# KiCad board panel_joined.kicad_pcb (continued)
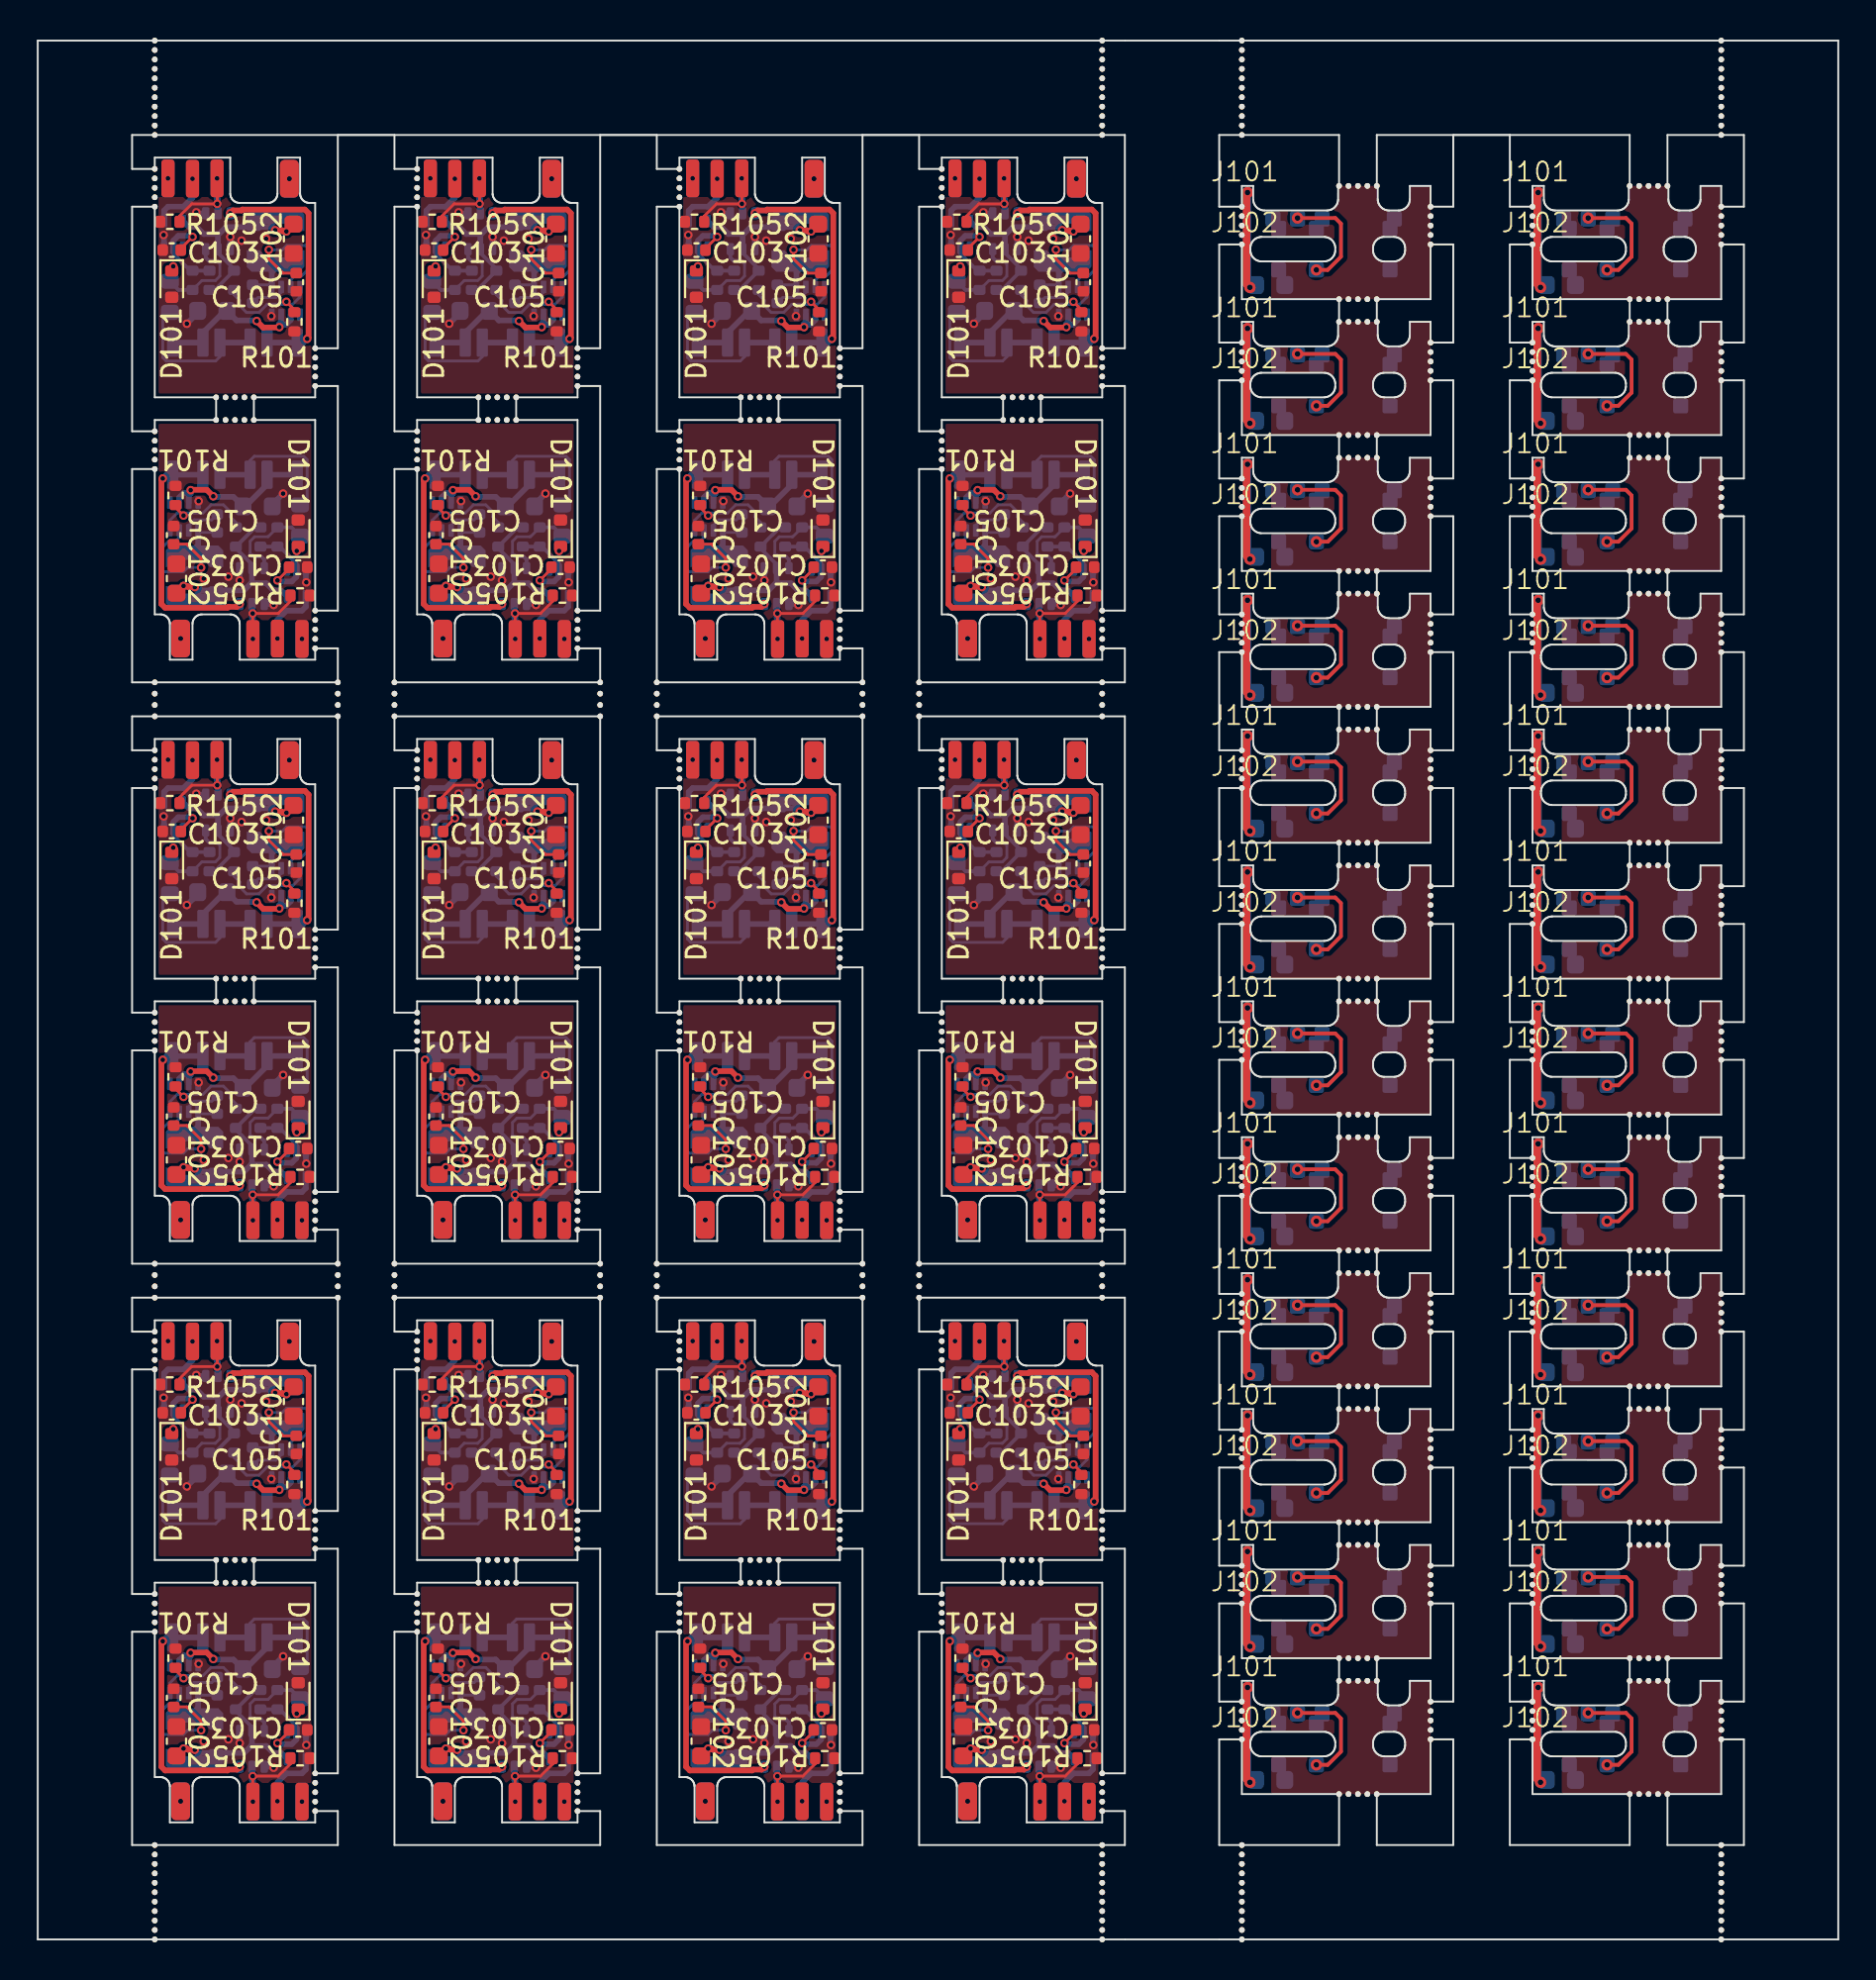
[diagram p0: board, top side]
## Placement (name value [footprint] x y rotation side) (continued)
KiKit_MB_46_1#2  -  [NPTH]  51.15 49.7 0 top
KiKit_MB_46_2  -  [NPTH]  51.65 49.7 0 top
KiKit_MB_46_2#2  -  [NPTH]  89.2 55.3 0 top
KiKit_MB_46_3  -  [NPTH]  52.15 49.7 0 top
KiKit_MB_46_3#2  -  [NPTH]  89.2 54.8 0 top
KiKit_MB_46_4  -  [NPTH]  89.2 54.3 0 top
KiKit_MB_46_4#2  -  [NPTH]  52.65 49.7 0 top
KiKit_MB_46_5  -  [NPTH]  89.2 53.8 0 top
KiKit_MB_46_5#2  -  [NPTH]  53.15 49.7 0 top
KiKit_MB_47_1  -  [NPTH]  47.9 47.1 0 top
KiKit_MB_47_1#2  -  [NPTH]  84.35 56.9 0 top
KiKit_MB_47_2  -  [NPTH]  47.9 47.6 0 top
KiKit_MB_47_2#2  -  [NPTH]  84.85 56.9 0 top
KiKit_MB_47_3  -  [NPTH]  85.35 56.9 0 top
KiKit_MB_47_3#2  -  [NPTH]  47.9 48.1 0 top
KiKit_MB_47_4  -  [NPTH]  47.9 48.6 0 top
KiKit_MB_47_4#2  -  [NPTH]  85.85 56.9 0 top
KiKit_MB_47_5  -  [NPTH]  86.35 56.9 0 top
KiKit_MB_47_5#2  -  [NPTH]  47.9 49.1 0 top
KiKit_MB_48_1  -  [NPTH]  79.2 53.8 0 top
KiKit_MB_48_1#2  -  [NPTH]  56.4 39.6 0 top
KiKit_MB_48_2  -  [NPTH]  56.4 39.1 0 top
KiKit_MB_48_2#2  -  [NPTH]  79.2 54.3 0 top
KiKit_MB_48_3  -  [NPTH]  56.4 38.6 0 top
KiKit_MB_48_3#2  -  [NPTH]  79.2 54.8 0 top
KiKit_MB_48_4  -  [NPTH]  79.2 55.3 0 top
KiKit_MB_48_4#2  -  [NPTH]  56.4 38.1 0 top
KiKit_MB_48_5  -  [NPTH]  56.4 37.6 0 top
KiKit_MB_48_5#2  -  [NPTH]  79.2 55.8 0 top
KiKit_MB_49_1  -  [NPTH]  11.45 20.1 0 top
KiKit_MB_49_1#2  -  [NPTH]  70.95 43.7 0 top
KiKit_MB_49_2  -  [NPTH]  70.45 43.7 0 top
KiKit_MB_49_2#2  -  [NPTH]  10.95 20.1 0 top
KiKit_MB_49_3  -  [NPTH]  10.45 20.1 0 top
KiKit_MB_49_3#2  -  [NPTH]  69.95 43.7 0 top
KiKit_MB_49_4  -  [NPTH]  9.95 20.1 0 top
KiKit_MB_49_4#2  -  [NPTH]  69.45 43.7 0 top
KiKit_MB_49_5  -  [NPTH]  9.45 20.1 0 top
KiKit_MB_49_5#2  -  [NPTH]  68.95 43.7 0 top
KiKit_MB_50_1  -  [NPTH]  73.8 48.6 0 top
KiKit_MB_50_1#2  -  [NPTH]  14.7 22.7 0 top
KiKit_MB_50_2  -  [NPTH]  73.8 48.1 0 top
KiKit_MB_50_2#2  -  [NPTH]  14.7 22.2 0 top
KiKit_MB_50_3  -  [NPTH]  14.7 21.7 0 top
KiKit_MB_50_3#2  -  [NPTH]  73.8 47.6 0 top
KiKit_MB_50_4  -  [NPTH]  73.8 47.1 0 top
KiKit_MB_50_4#2  -  [NPTH]  14.7 21.2 0 top
KiKit_MB_50_5  -  [NPTH]  14.7 20.7 0 top
KiKit_MB_50_5#2  -  [NPTH]  73.8 46.6 0 top
KiKit_MB_51_1  -  [NPTH]  68.95 49.7 0 top
KiKit_MB_51_1#2  -  [NPTH]  6.2 30.2 0 top
KiKit_MB_51_2  -  [NPTH]  6.2 30.7 0 top
KiKit_MB_51_2#2  -  [NPTH]  69.45 49.7 0 top
KiKit_MB_51_3  -  [NPTH]  6.2 31.2 0 top
KiKit_MB_51_3#2  -  [NPTH]  69.95 49.7 0 top
KiKit_MB_51_4  -  [NPTH]  70.45 49.7 0 top
KiKit_MB_51_4#2  -  [NPTH]  6.2 31.7 0 top
KiKit_MB_51_5  -  [NPTH]  6.2 32.2 0 top
KiKit_MB_51_5#2  -  [NPTH]  70.95 49.7 0 top
KiKit_MB_52_1  -  [NPTH]  25.35 20.1 0 top
KiKit_MB_52_1#2  -  [NPTH]  63.8 46.6 0 top
KiKit_MB_52_2  -  [NPTH]  63.8 47.1 0 top
KiKit_MB_52_2#2  -  [NPTH]  24.85 20.1 0 top
KiKit_MB_52_3  -  [NPTH]  24.35 20.1 0 top
KiKit_MB_52_3#2  -  [NPTH]  63.8 47.6 0 top
KiKit_MB_52_4  -  [NPTH]  23.85 20.1 0 top
KiKit_MB_52_4#2  -  [NPTH]  63.8 48.1 0 top
KiKit_MB_52_5  -  [NPTH]  23.35 20.1 0 top
KiKit_MB_52_5#2  -  [NPTH]  63.8 48.6 0 top
KiKit_MB_53_1  -  [NPTH]  28.6 22.7 0 top
KiKit_MB_53_1#2  -  [NPTH]  86.35 43.7 0 top
KiKit_MB_53_2  -  [NPTH]  85.85 43.7 0 top
KiKit_MB_53_2#2  -  [NPTH]  28.6 22.2 0 top
KiKit_MB_53_3  -  [NPTH]  85.35 43.7 0 top
KiKit_MB_53_3#2  -  [NPTH]  28.6 21.7 0 top
KiKit_MB_53_4  -  [NPTH]  84.85 43.7 0 top
KiKit_MB_53_4#2  -  [NPTH]  28.6 21.2 0 top
KiKit_MB_53_5  -  [NPTH]  28.6 20.7 0 top
KiKit_MB_53_5#2  -  [NPTH]  84.35 43.7 0 top
KiKit_MB_54_1  -  [NPTH]  89.2 48.6 0 top
KiKit_MB_54_1#2  -  [NPTH]  20.1 30.2 0 top
KiKit_MB_54_2  -  [NPTH]  89.2 48.1 0 top
KiKit_MB_54_2#2  -  [NPTH]  20.1 30.7 0 top
KiKit_MB_54_3  -  [NPTH]  89.2 47.6 0 top
KiKit_MB_54_3#2  -  [NPTH]  20.1 31.2 0 top
KiKit_MB_54_4  -  [NPTH]  89.2 47.1 0 top
KiKit_MB_54_4#2  -  [NPTH]  20.1 31.7 0 top
KiKit_MB_54_5  -  [NPTH]  89.2 46.6 0 top
KiKit_MB_54_5#2  -  [NPTH]  20.1 32.2 0 top
KiKit_MB_55_1  -  [NPTH]  84.35 49.7 0 top
KiKit_MB_55_1#2  -  [NPTH]  39.25 20.1 0 top
KiKit_MB_55_2  -  [NPTH]  38.75 20.1 0 top
KiKit_MB_55_2#2  -  [NPTH]  84.85 49.7 0 top
KiKit_MB_55_3  -  [NPTH]  85.35 49.7 0 top
KiKit_MB_55_3#2  -  [NPTH]  38.25 20.1 0 top
KiKit_MB_55_4  -  [NPTH]  85.85 49.7 0 top
KiKit_MB_55_4#2  -  [NPTH]  37.75 20.1 0 top
KiKit_MB_55_5  -  [NPTH]  86.35 49.7 0 top
KiKit_MB_55_5#2  -  [NPTH]  37.25 20.1 0 top
KiKit_MB_56_1  -  [NPTH]  42.5 22.7 0 top
KiKit_MB_56_1#2  -  [NPTH]  79.2 46.6 0 top
KiKit_MB_56_2  -  [NPTH]  42.5 22.2 0 top
KiKit_MB_56_2#2  -  [NPTH]  79.2 47.1 0 top
KiKit_MB_56_3  -  [NPTH]  42.5 21.7 0 top
KiKit_MB_56_3#2  -  [NPTH]  79.2 47.6 0 top
KiKit_MB_56_4  -  [NPTH]  79.2 48.1 0 top
KiKit_MB_56_4#2  -  [NPTH]  42.5 21.2 0 top
KiKit_MB_56_5  -  [NPTH]  42.5 20.7 0 top
KiKit_MB_56_5#2  -  [NPTH]  79.2 48.6 0 top
KiKit_MB_57_1  -  [NPTH]  34 30.2 0 top
KiKit_MB_57_1#2  -  [NPTH]  70.95 36.5 0 top
KiKit_MB_57_2  -  [NPTH]  34 30.7 0 top
KiKit_MB_57_2#2  -  [NPTH]  70.45 36.5 0 top
KiKit_MB_57_3  -  [NPTH]  34 31.2 0 top
KiKit_MB_57_3#2  -  [NPTH]  69.95 36.5 0 top
KiKit_MB_57_4  -  [NPTH]  69.45 36.5 0 top
KiKit_MB_57_4#2  -  [NPTH]  34 31.7 0 top
KiKit_MB_57_5  -  [NPTH]  68.95 36.5 0 top
KiKit_MB_57_5#2  -  [NPTH]  34 32.2 0 top
KiKit_MB_58_1  -  [NPTH]  73.8 41.4 0 top
KiKit_MB_58_1#2  -  [NPTH]  53.15 20.1 0 top
KiKit_MB_58_2  -  [NPTH]  73.8 40.9 0 top
KiKit_MB_58_2#2  -  [NPTH]  52.65 20.1 0 top
KiKit_MB_58_3  -  [NPTH]  73.8 40.4 0 top
KiKit_MB_58_3#2  -  [NPTH]  52.15 20.1 0 top
KiKit_MB_58_4  -  [NPTH]  73.8 39.9 0 top
KiKit_MB_58_4#2  -  [NPTH]  51.65 20.1 0 top
KiKit_MB_58_5  -  [NPTH]  51.15 20.1 0 top
KiKit_MB_58_5#2  -  [NPTH]  73.8 39.4 0 top
KiKit_MB_59_1  -  [NPTH]  56.4 22.7 0 top
KiKit_MB_59_1#2  -  [NPTH]  68.95 42.5 0 top
KiKit_MB_59_2  -  [NPTH]  69.45 42.5 0 top
KiKit_MB_59_2#2  -  [NPTH]  56.4 22.2 0 top
KiKit_MB_59_3  -  [NPTH]  56.4 21.7 0 top
KiKit_MB_59_3#2  -  [NPTH]  69.95 42.5 0 top
KiKit_MB_59_4  -  [NPTH]  70.45 42.5 0 top
KiKit_MB_59_4#2  -  [NPTH]  56.4 21.2 0 top
KiKit_MB_59_5  -  [NPTH]  56.4 20.7 0 top
KiKit_MB_59_5#2  -  [NPTH]  70.95 42.5 0 top
KiKit_MB_60_1  -  [NPTH]  47.9 30.2 0 top
KiKit_MB_60_1#2  -  [NPTH]  63.8 39.4 0 top
KiKit_MB_60_2  -  [NPTH]  63.8 39.9 0 top
KiKit_MB_60_2#2  -  [NPTH]  47.9 30.7 0 top
KiKit_MB_60_3  -  [NPTH]  63.8 40.4 0 top
KiKit_MB_60_3#2  -  [NPTH]  47.9 31.2 0 top
KiKit_MB_60_4  -  [NPTH]  63.8 40.9 0 top
KiKit_MB_60_4#2  -  [NPTH]  47.9 31.7 0 top
KiKit_MB_60_5  -  [NPTH]  47.9 32.2 0 top
KiKit_MB_60_5#2  -  [NPTH]  63.8 41.4 0 top
KiKit_MB_61_1  -  [NPTH]  9.45 18.9 0 top
KiKit_MB_61_1#2  -  [NPTH]  86.35 36.5 0 top
KiKit_MB_61_2  -  [NPTH]  9.95 18.9 0 top
KiKit_MB_61_2#2  -  [NPTH]  85.85 36.5 0 top
KiKit_MB_61_3  -  [NPTH]  10.45 18.9 0 top
KiKit_MB_61_3#2  -  [NPTH]  85.35 36.5 0 top
KiKit_MB_61_4  -  [NPTH]  10.95 18.9 0 top
KiKit_MB_61_4#2  -  [NPTH]  84.85 36.5 0 top
KiKit_MB_61_5  -  [NPTH]  11.45 18.9 0 top
KiKit_MB_61_5#2  -  [NPTH]  84.35 36.5 0 top
KiKit_MB_62_1  -  [NPTH]  6.2 16.3 0 top
KiKit_MB_62_1#2  -  [NPTH]  89.2 41.4 0 top
KiKit_MB_62_2  -  [NPTH]  6.2 16.8 0 top
KiKit_MB_62_2#2  -  [NPTH]  89.2 40.9 0 top
KiKit_MB_62_3  -  [NPTH]  89.2 40.4 0 top
KiKit_MB_62_3#2  -  [NPTH]  6.2 17.3 0 top
KiKit_MB_62_4  -  [NPTH]  6.2 17.8 0 top
KiKit_MB_62_4#2  -  [NPTH]  89.2 39.9 0 top
KiKit_MB_62_5  -  [NPTH]  89.2 39.4 0 top
KiKit_MB_62_5#2  -  [NPTH]  6.2 18.3 0 top
KiKit_MB_63_1  -  [NPTH]  84.35 42.5 0 top
KiKit_MB_63_1#2  -  [NPTH]  14.7 8.8 0 top
KiKit_MB_63_2  -  [NPTH]  14.7 8.3 0 top
KiKit_MB_63_2#2  -  [NPTH]  84.85 42.5 0 top
KiKit_MB_63_3  -  [NPTH]  14.7 7.8 0 top
KiKit_MB_63_3#2  -  [NPTH]  85.35 42.5 0 top
KiKit_MB_63_4  -  [NPTH]  85.85 42.5 0 top
KiKit_MB_63_4#2  -  [NPTH]  14.7 7.3 0 top
KiKit_MB_63_5  -  [NPTH]  14.7 6.8 0 top
KiKit_MB_63_5#2  -  [NPTH]  86.35 42.5 0 top
KiKit_MB_64_1  -  [NPTH]  79.2 39.4 0 top
KiKit_MB_64_1#2  -  [NPTH]  23.35 18.9 0 top
KiKit_MB_64_2  -  [NPTH]  23.85 18.9 0 top
KiKit_MB_64_2#2  -  [NPTH]  79.2 39.9 0 top
KiKit_MB_64_3  -  [NPTH]  79.2 40.4 0 top
KiKit_MB_64_3#2  -  [NPTH]  24.35 18.9 0 top
KiKit_MB_64_4  -  [NPTH]  24.85 18.9 0 top
KiKit_MB_64_4#2  -  [NPTH]  79.2 40.9 0 top
KiKit_MB_64_5  -  [NPTH]  79.2 41.4 0 top
KiKit_MB_64_5#2  -  [NPTH]  25.35 18.9 0 top
KiKit_MB_65_1  -  [NPTH]  70.95 29.3 0 top
KiKit_MB_65_1#2  -  [NPTH]  20.1 16.3 0 top
KiKit_MB_65_2  -  [NPTH]  70.45 29.3 0 top
KiKit_MB_65_2#2  -  [NPTH]  20.1 16.8 0 top
KiKit_MB_65_3  -  [NPTH]  20.1 17.3 0 top
KiKit_MB_65_3#2  -  [NPTH]  69.95 29.3 0 top
KiKit_MB_65_4  -  [NPTH]  69.45 29.3 0 top
KiKit_MB_65_4#2  -  [NPTH]  20.1 17.8 0 top
KiKit_MB_65_5  -  [NPTH]  20.1 18.3 0 top
KiKit_MB_65_5#2  -  [NPTH]  68.95 29.3 0 top
KiKit_MB_66_1  -  [NPTH]  28.6 8.8 0 top
KiKit_MB_66_1#2  -  [NPTH]  73.8 34.2 0 top
KiKit_MB_66_2  -  [NPTH]  73.8 33.7 0 top
KiKit_MB_66_2#2  -  [NPTH]  28.6 8.3 0 top
KiKit_MB_66_3  -  [NPTH]  28.6 7.8 0 top
KiKit_MB_66_3#2  -  [NPTH]  73.8 33.2 0 top
KiKit_MB_66_4  -  [NPTH]  28.6 7.3 0 top
KiKit_MB_66_4#2  -  [NPTH]  73.8 32.7 0 top
KiKit_MB_66_5  -  [NPTH]  28.6 6.8 0 top
KiKit_MB_66_5#2  -  [NPTH]  73.8 32.2 0 top
KiKit_MB_67_1  -  [NPTH]  68.95 35.3 0 top
KiKit_MB_67_1#2  -  [NPTH]  37.25 18.9 0 top
KiKit_MB_67_2  -  [NPTH]  37.75 18.9 0 top
KiKit_MB_67_2#2  -  [NPTH]  69.45 35.3 0 top
KiKit_MB_67_3  -  [NPTH]  69.95 35.3 0 top
KiKit_MB_67_3#2  -  [NPTH]  38.25 18.9 0 top
KiKit_MB_67_4  -  [NPTH]  70.45 35.3 0 top
KiKit_MB_67_4#2  -  [NPTH]  38.75 18.9 0 top
KiKit_MB_67_5  -  [NPTH]  70.95 35.3 0 top
KiKit_MB_67_5#2  -  [NPTH]  39.25 18.9 0 top
KiKit_MB_68_1  -  [NPTH]  63.8 32.2 0 top
KiKit_MB_68_1#2  -  [NPTH]  34 16.3 0 top
KiKit_MB_68_2  -  [NPTH]  63.8 32.7 0 top
KiKit_MB_68_2#2  -  [NPTH]  34 16.8 0 top
KiKit_MB_68_3  -  [NPTH]  63.8 33.2 0 top
KiKit_MB_68_3#2  -  [NPTH]  34 17.3 0 top
KiKit_MB_68_4  -  [NPTH]  34 17.8 0 top
KiKit_MB_68_4#2  -  [NPTH]  63.8 33.7 0 top
KiKit_MB_68_5  -  [NPTH]  34 18.3 0 top
KiKit_MB_68_5#2  -  [NPTH]  63.8 34.2 0 top
KiKit_MB_69_1  -  [NPTH]  42.5 8.8 0 top
KiKit_MB_69_1#2  -  [NPTH]  86.35 29.3 0 top
KiKit_MB_69_2  -  [NPTH]  85.85 29.3 0 top
KiKit_MB_69_2#2  -  [NPTH]  42.5 8.3 0 top
KiKit_MB_69_3  -  [NPTH]  85.35 29.3 0 top
KiKit_MB_69_3#2  -  [NPTH]  42.5 7.8 0 top
KiKit_MB_69_4  -  [NPTH]  42.5 7.3 0 top
KiKit_MB_69_4#2  -  [NPTH]  84.85 29.3 0 top
KiKit_MB_69_5  -  [NPTH]  42.5 6.8 0 top
KiKit_MB_69_5#2  -  [NPTH]  84.35 29.3 0 top
KiKit_MB_70_1  -  [NPTH]  51.15 18.9 0 top
KiKit_MB_70_1#2  -  [NPTH]  89.2 34.2 0 top
KiKit_MB_70_2  -  [NPTH]  51.65 18.9 0 top
KiKit_MB_70_2#2  -  [NPTH]  89.2 33.7 0 top
KiKit_MB_70_3  -  [NPTH]  52.15 18.9 0 top
KiKit_MB_70_3#2  -  [NPTH]  89.2 33.2 0 top
KiKit_MB_70_4  -  [NPTH]  52.65 18.9 0 top
KiKit_MB_70_4#2  -  [NPTH]  89.2 32.7 0 top
KiKit_MB_70_5  -  [NPTH]  53.15 18.9 0 top
KiKit_MB_70_5#2  -  [NPTH]  89.2 32.2 0 top
KiKit_MB_71_1  -  [NPTH]  84.35 35.3 0 top
KiKit_MB_71_1#2  -  [NPTH]  47.9 16.3 0 top
KiKit_MB_71_2  -  [NPTH]  47.9 16.8 0 top
KiKit_MB_71_2#2  -  [NPTH]  84.85 35.3 0 top
KiKit_MB_71_3  -  [NPTH]  85.35 35.3 0 top
KiKit_MB_71_3#2  -  [NPTH]  47.9 17.3 0 top
KiKit_MB_71_4  -  [NPTH]  85.85 35.3 0 top
KiKit_MB_71_4#2  -  [NPTH]  47.9 17.8 0 top
KiKit_MB_71_5  -  [NPTH]  47.9 18.3 0 top
KiKit_MB_71_5#2  -  [NPTH]  86.35 35.3 0 top
KiKit_MB_72_1  -  [NPTH]  56.4 8.8 0 top
KiKit_MB_72_1#2  -  [NPTH]  79.2 32.2 0 top
KiKit_MB_72_2  -  [NPTH]  56.4 8.3 0 top
KiKit_MB_72_2#2  -  [NPTH]  79.2 32.7 0 top
KiKit_MB_72_3  -  [NPTH]  79.2 33.2 0 top
KiKit_MB_72_3#2  -  [NPTH]  56.4 7.8 0 top
KiKit_MB_72_4  -  [NPTH]  56.4 7.3 0 top
KiKit_MB_72_4#2  -  [NPTH]  79.2 33.7 0 top
KiKit_MB_72_5  -  [NPTH]  56.4 6.8 0 top
KiKit_MB_72_5#2  -  [NPTH]  79.2 34.2 0 top
KiKit_MB_73_1  -  [NPTH]  18.9 34 0 top
KiKit_MB_73_1#2  -  [NPTH]  70.95 22.1 0 top
KiKit_MB_73_2  -  [NPTH]  70.45 22.1 0 top
KiKit_MB_73_2#2  -  [NPTH]  18.9 34.6 0 top
KiKit_MB_73_3  -  [NPTH]  18.9 35.2 0 top
KiKit_MB_73_3#2  -  [NPTH]  69.95 22.1 0 top
KiKit_MB_73_4  -  [NPTH]  18.9 35.8 0 top
KiKit_MB_73_4#2  -  [NPTH]  69.45 22.1 0 top
KiKit_MB_73_5  -  [NPTH]  68.95 22.1 0 top
KiKit_MB_74_1  -  [NPTH]  29.8 35.8 0 top
KiKit_MB_74_1#2  -  [NPTH]  73.8 27 0 top
KiKit_MB_74_2  -  [NPTH]  29.8 35.2 0 top
KiKit_MB_74_2#2  -  [NPTH]  73.8 26.5 0 top
KiKit_MB_74_3  -  [NPTH]  73.8 26 0 top
KiKit_MB_74_3#2  -  [NPTH]  29.8 34.6 0 top
KiKit_MB_74_4  -  [NPTH]  29.8 34 0 top
KiKit_MB_74_4#2  -  [NPTH]  73.8 25.5 0 top
KiKit_MB_74_5  -  [NPTH]  73.8 25 0 top
KiKit_MB_75_1  -  [NPTH]  68.95 28.1 0 top
KiKit_MB_75_1#2  -  [NPTH]  6.2 35.8 0 top
KiKit_MB_75_2  -  [NPTH]  69.45 28.1 0 top
KiKit_MB_75_2#2  -  [NPTH]  6.2 35.2 0 top
KiKit_MB_75_3  -  [NPTH]  69.95 28.1 0 top
KiKit_MB_75_3#2  -  [NPTH]  6.2 34.6 0 top
KiKit_MB_75_4  -  [NPTH]  70.45 28.1 0 top
KiKit_MB_75_4#2  -  [NPTH]  6.2 34 0 top
KiKit_MB_75_5  -  [NPTH]  70.95 28.1 0 top
KiKit_MB_76_1  -  [NPTH]  15.9 35.8 0 top
KiKit_MB_76_1#2  -  [NPTH]  63.8 25 0 top
KiKit_MB_76_2  -  [NPTH]  63.8 25.5 0 top
KiKit_MB_76_2#2  -  [NPTH]  15.9 35.2 0 top
KiKit_MB_76_3  -  [NPTH]  63.8 26 0 top
KiKit_MB_76_3#2  -  [NPTH]  15.9 34.6 0 top
KiKit_MB_76_4  -  [NPTH]  63.8 26.5 0 top
KiKit_MB_76_4#2  -  [NPTH]  15.9 34 0 top
KiKit_MB_76_5  -  [NPTH]  63.8 27 0 top
KiKit_MB_77_1  -  [NPTH]  18.9 64.8 0 top
KiKit_MB_77_1#2  -  [NPTH]  86.35 22.1 0 top
KiKit_MB_77_2  -  [NPTH]  18.9 65.4 0 top
KiKit_MB_77_2#2  -  [NPTH]  85.85 22.1 0 top
KiKit_MB_77_3  -  [NPTH]  85.35 22.1 0 top
KiKit_MB_77_3#2  -  [NPTH]  18.9 66 0 top
KiKit_MB_77_4  -  [NPTH]  18.9 66.6 0 top
KiKit_MB_77_4#2  -  [NPTH]  84.85 22.1 0 top
KiKit_MB_77_5  -  [NPTH]  84.35 22.1 0 top
KiKit_MB_78_1  -  [NPTH]  29.8 66.6 0 top
KiKit_MB_78_1#2  -  [NPTH]  89.2 27 0 top
KiKit_MB_78_2  -  [NPTH]  89.2 26.5 0 top
KiKit_MB_78_2#2  -  [NPTH]  29.8 66 0 top
KiKit_MB_78_3  -  [NPTH]  29.8 65.4 0 top
KiKit_MB_78_3#2  -  [NPTH]  89.2 26 0 top
KiKit_MB_78_4  -  [NPTH]  89.2 25.5 0 top
KiKit_MB_78_4#2  -  [NPTH]  29.8 64.8 0 top
KiKit_MB_78_5  -  [NPTH]  89.2 25 0 top
KiKit_MB_79_1  -  [NPTH]  46.7 64.8 0 top
KiKit_MB_79_1#2  -  [NPTH]  84.35 28.1 0 top
KiKit_MB_79_2  -  [NPTH]  46.7 65.4 0 top
KiKit_MB_79_2#2  -  [NPTH]  84.85 28.1 0 top
KiKit_MB_79_3  -  [NPTH]  85.35 28.1 0 top
KiKit_MB_79_3#2  -  [NPTH]  46.7 66 0 top
KiKit_MB_79_4  -  [NPTH]  46.7 66.6 0 top
KiKit_MB_79_4#2  -  [NPTH]  85.85 28.1 0 top
KiKit_MB_79_5  -  [NPTH]  86.35 28.1 0 top
KiKit_MB_80_1  -  [NPTH]  79.2 25 0 top
KiKit_MB_80_1#2  -  [NPTH]  56.4 66.6 0 top
KiKit_MB_80_2  -  [NPTH]  79.2 25.5 0 top
KiKit_MB_80_2#2  -  [NPTH]  56.4 66 0 top
KiKit_MB_80_3  -  [NPTH]  79.2 26 0 top
KiKit_MB_80_3#2  -  [NPTH]  56.4 65.4 0 top
KiKit_MB_80_4  -  [NPTH]  79.2 26.5 0 top
KiKit_MB_80_4#2  -  [NPTH]  56.4 64.8 0 top
KiKit_MB_80_5  -  [NPTH]  79.2 27 0 top
KiKit_MB_81_1  -  [NPTH]  6.2 66.6 0 top
KiKit_MB_81_1#2  -  [NPTH]  70.95 14.9 0 top
KiKit_MB_81_2  -  [NPTH]  70.45 14.9 0 top
KiKit_MB_81_2#2  -  [NPTH]  6.2 66 0 top
KiKit_MB_81_3  -  [NPTH]  6.2 65.4 0 top
KiKit_MB_81_3#2  -  [NPTH]  69.95 14.9 0 top
KiKit_MB_81_4  -  [NPTH]  6.2 64.8 0 top
KiKit_MB_81_4#2  -  [NPTH]  69.45 14.9 0 top
KiKit_MB_81_5  -  [NPTH]  68.95 14.9 0 top
KiKit_MB_82_1  -  [NPTH]  73.8 19.8 0 top
KiKit_MB_82_1#2  -  [NPTH]  15.9 66.6 0 top
KiKit_MB_82_2  -  [NPTH]  73.8 19.3 0 top
KiKit_MB_82_2#2  -  [NPTH]  15.9 66 0 top
KiKit_MB_82_3  -  [NPTH]  15.9 65.4 0 top
KiKit_MB_82_3#2  -  [NPTH]  73.8 18.8 0 top
KiKit_MB_82_4  -  [NPTH]  73.8 18.3 0 top
KiKit_MB_82_4#2  -  [NPTH]  15.9 64.8 0 top
KiKit_MB_82_5  -  [NPTH]  73.8 17.8 0 top
KiKit_MB_83_1  -  [NPTH]  32.8 64.8 0 top
KiKit_MB_83_1#2  -  [NPTH]  68.95 20.9 0 top
KiKit_MB_83_2  -  [NPTH]  32.8 65.4 0 top
KiKit_MB_83_2#2  -  [NPTH]  69.45 20.9 0 top
KiKit_MB_83_3  -  [NPTH]  32.8 66 0 top
KiKit_MB_83_3#2  -  [NPTH]  69.95 20.9 0 top
KiKit_MB_83_4  -  [NPTH]  70.45 20.9 0 top
KiKit_MB_83_4#2  -  [NPTH]  32.8 66.6 0 top
KiKit_MB_83_5  -  [NPTH]  70.95 20.9 0 top
KiKit_MB_84_1  -  [NPTH]  63.8 17.8 0 top
KiKit_MB_84_1#2  -  [NPTH]  43.7 66.6 0 top
KiKit_MB_84_2  -  [NPTH]  63.8 18.3 0 top
KiKit_MB_84_2#2  -  [NPTH]  43.7 66 0 top
KiKit_MB_84_3  -  [NPTH]  63.8 18.8 0 top
KiKit_MB_84_3#2  -  [NPTH]  43.7 65.4 0 top
KiKit_MB_84_4  -  [NPTH]  63.8 19.3 0 top
KiKit_MB_84_4#2  -  [NPTH]  43.7 64.8 0 top
KiKit_MB_84_5  -  [NPTH]  63.8 19.8 0 top
KiKit_MB_85_1  -  [NPTH]  46.7 34 0 top
KiKit_MB_85_1#2  -  [NPTH]  86.35 14.9 0 top
KiKit_MB_85_2  -  [NPTH]  85.85 14.9 0 top
KiKit_MB_85_2#2  -  [NPTH]  46.7 34.6 0 top
KiKit_MB_85_3  -  [NPTH]  46.7 35.2 0 top
KiKit_MB_85_3#2  -  [NPTH]  85.35 14.9 0 top
KiKit_MB_85_4  -  [NPTH]  46.7 35.8 0 top
KiKit_MB_85_4#2  -  [NPTH]  84.85 14.9 0 top
KiKit_MB_85_5  -  [NPTH]  84.35 14.9 0 top
KiKit_MB_86_1  -  [NPTH]  56.4 35.8 0 top
KiKit_MB_86_1#2  -  [NPTH]  89.2 19.8 0 top
KiKit_MB_86_2  -  [NPTH]  56.4 35.2 0 top
KiKit_MB_86_2#2  -  [NPTH]  89.2 19.3 0 top
KiKit_MB_86_3  -  [NPTH]  56.4 34.6 0 top
KiKit_MB_86_3#2  -  [NPTH]  89.2 18.8 0 top
KiKit_MB_86_4  -  [NPTH]  89.2 18.3 0 top
KiKit_MB_86_4#2  -  [NPTH]  56.4 34 0 top
KiKit_MB_86_5  -  [NPTH]  89.2 17.8 0 top
KiKit_MB_87_1  -  [NPTH]  84.35 20.9 0 top
KiKit_MB_87_1#2  -  [NPTH]  32.8 34 0 top
KiKit_MB_87_2  -  [NPTH]  32.8 34.6 0 top
KiKit_MB_87_2#2  -  [NPTH]  84.85 20.9 0 top
KiKit_MB_87_3  -  [NPTH]  32.8 35.2 0 top
KiKit_MB_87_3#2  -  [NPTH]  85.35 20.9 0 top
KiKit_MB_87_4  -  [NPTH]  32.8 35.8 0 top
KiKit_MB_87_4#2  -  [NPTH]  85.85 20.9 0 top
KiKit_MB_87_5  -  [NPTH]  86.35 20.9 0 top
KiKit_MB_88_1  -  [NPTH]  43.7 35.8 0 top
KiKit_MB_88_1#2  -  [NPTH]  79.2 17.8 0 top
KiKit_MB_88_2  -  [NPTH]  43.7 35.2 0 top
KiKit_MB_88_2#2  -  [NPTH]  79.2 18.3 0 top
KiKit_MB_88_3  -  [NPTH]  43.7 34.6 0 top
KiKit_MB_88_3#2  -  [NPTH]  79.2 18.8 0 top
KiKit_MB_88_4  -  [NPTH]  79.2 19.3 0 top
KiKit_MB_88_4#2  -  [NPTH]  43.7 34 0 top
KiKit_MB_88_5  -  [NPTH]  79.2 19.8 0 top
KiKit_MB_89_1  -  [NPTH]  6.2 100.6 0 top
KiKit_MB_89_1#2  -  [NPTH]  70.95 7.7 0 top
KiKit_MB_89_2  -  [NPTH]  6.2 100.1 0 top
KiKit_MB_89_2#2  -  [NPTH]  70.45 7.7 0 top
KiKit_MB_89_3  -  [NPTH]  6.2 99.6 0 top
KiKit_MB_89_3#2  -  [NPTH]  69.95 7.7 0 top
KiKit_MB_89_4  -  [NPTH]  6.2 99.1 0 top
KiKit_MB_89_4#2  -  [NPTH]  69.45 7.7 0 top
KiKit_MB_89_5  -  [NPTH]  6.2 98.6 0 top
KiKit_MB_89_5#2  -  [NPTH]  68.95 7.7 0 top
KiKit_MB_89_6  -  [NPTH]  6.2 98.1 0 top
KiKit_MB_89_7  -  [NPTH]  6.2 97.6 0 top
KiKit_MB_89_8  -  [NPTH]  6.2 97.1 0 top
KiKit_MB_89_9  -  [NPTH]  6.2 96.6 0 top
KiKit_MB_89_10  -  [NPTH]  6.2 96.1 0 top
KiKit_MB_89_11  -  [NPTH]  6.2 95.6 0 top
KiKit_MB_90_1  -  [NPTH]  56.4 100.6 0 top
KiKit_MB_90_1#2  -  [NPTH]  73.8 12.6 0 top
KiKit_MB_90_2  -  [NPTH]  56.4 100.1 0 top
KiKit_MB_90_2#2  -  [NPTH]  73.8 12.1 0 top
KiKit_MB_90_3  -  [NPTH]  56.4 99.6 0 top
KiKit_MB_90_3#2  -  [NPTH]  73.8 11.6 0 top
KiKit_MB_90_4  -  [NPTH]  73.8 11.1 0 top
KiKit_MB_90_4#2  -  [NPTH]  56.4 99.1 0 top
KiKit_MB_90_5  -  [NPTH]  56.4 98.6 0 top
KiKit_MB_90_5#2  -  [NPTH]  73.8 10.6 0 top
KiKit_MB_90_6  -  [NPTH]  56.4 98.1 0 top
KiKit_MB_90_7  -  [NPTH]  56.4 97.6 0 top
KiKit_MB_90_8  -  [NPTH]  56.4 97.1 0 top
KiKit_MB_90_9  -  [NPTH]  56.4 96.6 0 top
KiKit_MB_90_10  -  [NPTH]  56.4 96.1 0 top
KiKit_MB_90_11  -  [NPTH]  56.4 95.6 0 top
KiKit_MB_91_1  -  [NPTH]  6.2 5 0 top
KiKit_MB_91_1#2  -  [NPTH]  68.95 13.7 0 top
KiKit_MB_91_2  -  [NPTH]  69.45 13.7 0 top
KiKit_MB_91_2#2  -  [NPTH]  6.2 4.5 0 top
KiKit_MB_91_3  -  [NPTH]  69.95 13.7 0 top
KiKit_MB_91_3#2  -  [NPTH]  6.2 4 0 top
KiKit_MB_91_4  -  [NPTH]  70.45 13.7 0 top
KiKit_MB_91_4#2  -  [NPTH]  6.2 3.5 0 top
KiKit_MB_91_5  -  [NPTH]  70.95 13.7 0 top
KiKit_MB_91_5#2  -  [NPTH]  6.2 3 0 top
KiKit_MB_91_6  -  [NPTH]  6.2 2.5 0 top
KiKit_MB_91_7  -  [NPTH]  6.2 2 0 top
KiKit_MB_91_8  -  [NPTH]  6.2 1.5 0 top
KiKit_MB_91_9  -  [NPTH]  6.2 1 0 top
KiKit_MB_91_10  -  [NPTH]  6.2 0.5 0 top
KiKit_MB_91_11  -  [NPTH]  6.2 0 0 top
KiKit_MB_92_1  -  [NPTH]  56.4 5 0 top
KiKit_MB_92_1#2  -  [NPTH]  63.8 10.6 0 top
KiKit_MB_92_2  -  [NPTH]  56.4 4.5 0 top
KiKit_MB_92_2#2  -  [NPTH]  63.8 11.1 0 top
KiKit_MB_92_3  -  [NPTH]  56.4 4 0 top
KiKit_MB_92_3#2  -  [NPTH]  63.8 11.6 0 top
KiKit_MB_92_4  -  [NPTH]  56.4 3.5 0 top
KiKit_MB_92_4#2  -  [NPTH]  63.8 12.1 0 top
KiKit_MB_92_5  -  [NPTH]  56.4 3 0 top
KiKit_MB_92_5#2  -  [NPTH]  63.8 12.6 0 top
KiKit_MB_92_6  -  [NPTH]  56.4 2.5 0 top
KiKit_MB_92_7  -  [NPTH]  56.4 2 0 top
KiKit_MB_92_8  -  [NPTH]  56.4 1.5 0 top
KiKit_MB_92_9  -  [NPTH]  56.4 1 0 top
KiKit_MB_92_10  -  [NPTH]  56.4 0.5 0 top
KiKit_MB_92_11  -  [NPTH]  56.4 0 0 top
KiKit_MB_93_1  -  [NPTH]  86.35 7.7 0 top
KiKit_MB_93_2  -  [NPTH]  85.85 7.7 0 top
KiKit_MB_93_3  -  [NPTH]  85.35 7.7 0 top
KiKit_MB_93_4  -  [NPTH]  84.85 7.7 0 top
KiKit_MB_93_5  -  [NPTH]  84.35 7.7 0 top
KiKit_MB_94_1  -  [NPTH]  89.2 12.6 0 top
KiKit_MB_94_2  -  [NPTH]  89.2 12.1 0 top
KiKit_MB_94_3  -  [NPTH]  89.2 11.6 0 top
KiKit_MB_94_4  -  [NPTH]  89.2 11.1 0 top
KiKit_MB_94_5  -  [NPTH]  89.2 10.6 0 top
KiKit_MB_95_1  -  [NPTH]  84.35 13.7 0 top
KiKit_MB_95_2  -  [NPTH]  84.85 13.7 0 top
KiKit_MB_95_3  -  [NPTH]  85.35 13.7 0 top
KiKit_MB_95_4  -  [NPTH]  85.85 13.7 0 top
KiKit_MB_95_5  -  [NPTH]  86.35 13.7 0 top
KiKit_MB_96_1  -  [NPTH]  79.2 10.6 0 top
KiKit_MB_96_2  -  [NPTH]  79.2 11.1 0 top
KiKit_MB_96_3  -  [NPTH]  79.2 11.6 0 top
KiKit_MB_96_4  -  [NPTH]  79.2 12.1 0 top
KiKit_MB_96_5  -  [NPTH]  79.2 12.6 0 top
KiKit_MB_97_1  -  [NPTH]  63.8 100.6 0 top
KiKit_MB_97_2  -  [NPTH]  63.8 100.1 0 top
KiKit_MB_97_3  -  [NPTH]  63.8 99.6 0 top
KiKit_MB_97_4  -  [NPTH]  63.8 99.1 0 top
KiKit_MB_97_5  -  [NPTH]  63.8 98.6 0 top
KiKit_MB_97_6  -  [NPTH]  63.8 98.1 0 top
KiKit_MB_97_7  -  [NPTH]  63.8 97.6 0 top
KiKit_MB_97_8  -  [NPTH]  63.8 97.1 0 top
KiKit_MB_97_9  -  [NPTH]  63.8 96.6 0 top
KiKit_MB_97_10  -  [NPTH]  63.8 96.1 0 top
KiKit_MB_97_11  -  [NPTH]  63.8 95.6 0 top
KiKit_MB_98_1  -  [NPTH]  89.2 100.6 0 top
KiKit_MB_98_2  -  [NPTH]  89.2 100.1 0 top
KiKit_MB_98_3  -  [NPTH]  89.2 99.6 0 top
KiKit_MB_98_4  -  [NPTH]  89.2 99.1 0 top
KiKit_MB_98_5  -  [NPTH]  89.2 98.6 0 top
KiKit_MB_98_6  -  [NPTH]  89.2 98.1 0 top
KiKit_MB_98_7  -  [NPTH]  89.2 97.6 0 top
KiKit_MB_98_8  -  [NPTH]  89.2 97.1 0 top
KiKit_MB_98_9  -  [NPTH]  89.2 96.6 0 top
KiKit_MB_98_10  -  [NPTH]  89.2 96.1 0 top
KiKit_MB_98_11  -  [NPTH]  89.2 95.6 0 top
KiKit_MB_99_1  -  [NPTH]  63.8 5 0 top
KiKit_MB_99_2  -  [NPTH]  63.8 4.5 0 top
KiKit_MB_99_3  -  [NPTH]  63.8 4 0 top
KiKit_MB_99_4  -  [NPTH]  63.8 3.5 0 top
KiKit_MB_99_5  -  [NPTH]  63.8 3 0 top
KiKit_MB_99_6  -  [NPTH]  63.8 2.5 0 top
KiKit_MB_99_7  -  [NPTH]  63.8 2 0 top
KiKit_MB_99_8  -  [NPTH]  63.8 1.5 0 top
KiKit_MB_99_9  -  [NPTH]  63.8 1 0 top
KiKit_MB_99_10  -  [NPTH]  63.8 0.5 0 top
KiKit_MB_99_11  -  [NPTH]  63.8 0 0 top
KiKit_MB_100_1  -  [NPTH]  89.2 5 0 top
KiKit_MB_100_2  -  [NPTH]  89.2 4.5 0 top
KiKit_MB_100_3  -  [NPTH]  89.2 4 0 top
KiKit_MB_100_4  -  [NPTH]  89.2 3.5 0 top
KiKit_MB_100_5  -  [NPTH]  89.2 3 0 top
KiKit_MB_100_6  -  [NPTH]  89.2 2.5 0 top
KiKit_MB_100_7  -  [NPTH]  89.2 2 0 top
KiKit_MB_100_8  -  [NPTH]  89.2 1.5 0 top
KiKit_MB_100_9  -  [NPTH]  89.2 1 0 top
KiKit_MB_100_10  -  [NPTH]  89.2 0.5 0 top
KiKit_MB_100_11  -  [NPTH]  89.2 0 0 top
L101  FTC252075S  [L_Coilcraft_LPS3010]  22.2 10.6 270 bottom
L101#2  FTC252075S  [L_Coilcraft_LPS3010]  40.4 90 90 bottom
L101#3  FTC252075S  [L_Coilcraft_LPS3010]  8.3 72.2 270 bottom
L101#4  FTC252075S  [L_Coilcraft_LPS3010]  54.3 59.2 90 bottom
L101#5  FTC252075S  [L_Coilcraft_LPS3010]  54.3 90 90 bottom
L101#6  FTC252075S  [L_Coilcraft_LPS3010]  54.3 28.4 90 bottom
L101#7  FTC252075S  [L_Coilcraft_LPS3010]  12.6 90 90 bottom
L101#8  FTC252075S  [L_Coilcraft_LPS3010]  50 41.4 270 bottom
L101#9  FTC252075S  [L_Coilcraft_LPS3010]  26.5 28.4 90 bottom
L101#10  FTC252075S  [L_Coilcraft_LPS3010]  40.4 59.2 90 bottom
L101#11  FTC252075S  [L_Coilcraft_LPS3010]  26.5 90 90 bottom
L101#12  FTC252075S  [L_Coilcraft_LPS3010]  50 72.2 270 bottom
L101#13  FTC252075S  [L_Coilcraft_LPS3010]  22.2 72.2 270 bottom
L101#14  FTC252075S  [L_Coilcraft_LPS3010]  26.5 59.2 90 bottom
L101#15  FTC252075S  [L_Coilcraft_LPS3010]  40.4 28.4 90 bottom
L101#16  FTC252075S  [L_Coilcraft_LPS3010]  12.6 28.4 90 bottom
L101#17  FTC252075S  [L_Coilcraft_LPS3010]  8.3 41.4 270 bottom
L101#18  FTC252075S  [L_Coilcraft_LPS3010]  50 10.6 270 bottom
L101#19  FTC252075S  [L_Coilcraft_LPS3010]  36.1 72.2 270 bottom
L101#20  FTC252075S  [L_Coilcraft_LPS3010]  12.6 59.2 90 bottom
L101#21  FTC252075S  [L_Coilcraft_LPS3010]  36.1 41.4 270 bottom
L101#22  FTC252075S  [L_Coilcraft_LPS3010]  36.1 10.6 270 bottom
L101#23  FTC252075S  [L_Coilcraft_LPS3010]  8.3 10.6 270 bottom
L101#24  FTC252075S  [L_Coilcraft_LPS3010]  22.2 41.4 270 bottom
Q102  FDG1024NZ-VB  [SOT-363_SC-70-6]  37.35 28.9 90 bottom
Q102#2  FDG1024NZ-VB  [SOT-363_SC-70-6]  53.05 10.1 270 bottom
Q102#3  FDG1024NZ-VB  [SOT-363_SC-70-6]  39.15 40.9 270 bottom
Q102#4  FDG1024NZ-VB  [SOT-363_SC-70-6]  9.55 28.9 90 bottom